# KiCad board SparkFun_GNSS_ZED-X20P_panelized.kicad_pcb (continued)
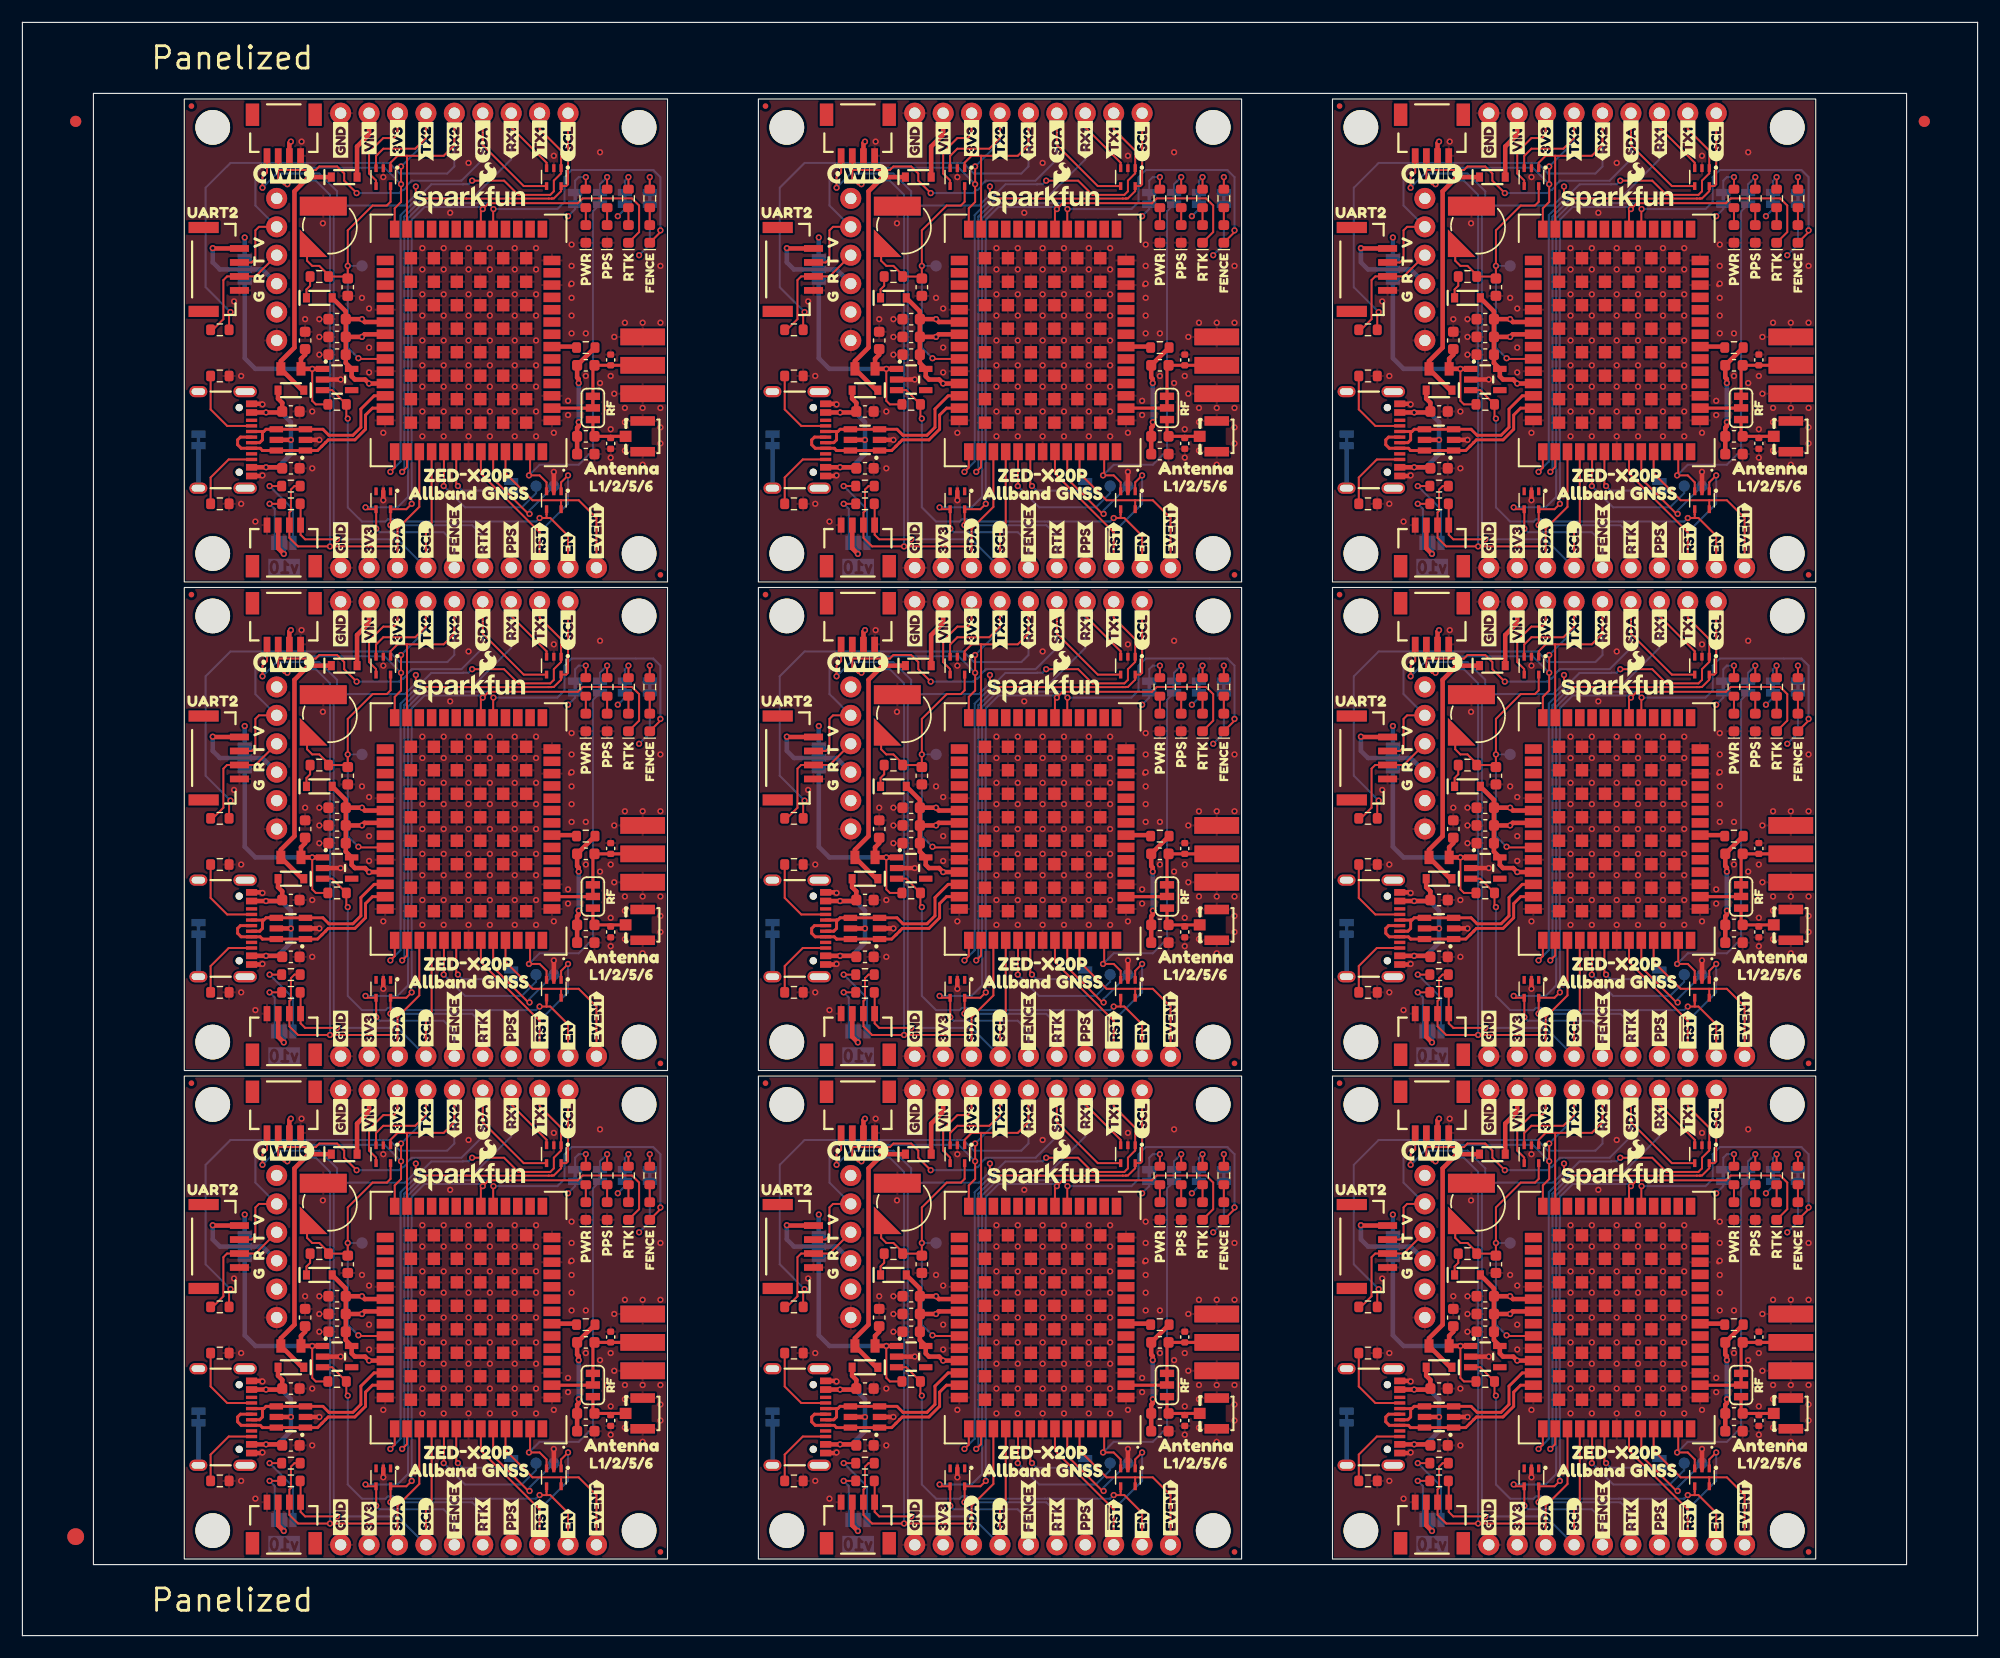
[diagram p0: board, top side]
## Routing (per net, layer and track width the routed paths; a pad name or vN(x,y) marks a point on that pad's centre or on a via; arc(x,y) is an arc through that point) (continued)
  Top w0.406: C1#2.1 76.56,27.17 76.19,26.8 F1#3.1 v1(77.2,25.9) 78.12,25.9 U2#2.1 ; U2#7.1 78.12,69.58 v1(77.2,69.58) F1#8.1 76.19,70.48 76.56,70.85 C1#7.1 ; U2#5.1 26.82,69.58 v1(25.9,69.58) F1#2.1 24.9,70.48 25.27,70.85 C1#3.1 ; U2#3.1 78.12,113.26 v1(77.2,113.26) F1#7.1 76.19,114.16 76.56,114.53 C1#8.1 ; U2#8.1 129.42,25.9 v1(128.5,25.9) F1#6.1 127.5,26.8 127.87,27.17 C1#6.1 ; C1#4.1 25.27,114.53 24.9,114.16 F1#4.1 v1(25.9,113.26) 26.82,113.26 U2#6.1 ; C1.1 25.27,27.17 24.9,26.8 F1.1 v1(25.9,25.9) 26.82,25.9 U2.1 ; U2#9.1 129.42,113.26 v1(128.5,113.26) F1#5.1 127.5,114.16 127.87,114.53 C1#5.1 ; U2#4.1 129.42,69.58 v1(128.5,69.58) F1#9.1 127.5,70.48 127.87,70.85 C1#9.1
  Bottom w0.406: v1(25.9,113.26) 20.82,113.26 19.87,114.21 JP4#5.3 ; JP4#3.3 19.87,70.53 20.82,69.58 v1(25.9,69.58) ; v1(128.5,25.9) 123.42,25.9 122.47,26.85 JP4#7.3 ; JP4#2.3 122.47,114.21 123.42,113.26 v1(128.5,113.26) ; JP4#6.3 71.17,70.53 72.12,69.58 v1(77.2,69.58) ; JP4#9.3 122.47,70.53 123.42,69.58 v1(128.5,69.58) ; v1(25.9,25.9) 20.82,25.9 19.87,26.85 JP4.3 ; JP4#8.3 71.17,26.85 72.12,25.9 v1(77.2,25.9) ; v1(77.2,113.26) 72.12,113.26 71.17,114.21 JP4#4.3
GND: length 68.2
  Top w0.406: D13#2.2 v1(83.55,57.83) ; D12#4.2 v1(47.49,60.37) ; U2#7.2 v1(79.74,68.63) ; v1(124.06,66.41) 124,66.46 J1#5.GND ; v1(72.75,66.41) 72.71,66.46 J1#7.GND ; v1(124.06,60.06) 124,60.01 J1#5.GND ; D13#7.2 v1(134.85,101.51) ; D13#4.2 v1(83.55,14.15) ; U1.2 v1(26.53,19.55) ; v1(72.75,22.73) 72.71,22.78 J1#3.GND ; D12#7.2 v1(98.79,16.69) ; v1(21.46,22.73) 21.41,22.78 J1#9.GND ; v1(124.06,103.73) 124,103.69 J1#4.GND ; U2.2 v1(28.44,24.95) ; D13.2 v1(32.25,101.51) ; v1(72.75,110.09) 72.71,110.14 J1#8.GND ; U2#2.2 v1(79.74,24.95) ; J1#6.GND 124,16.33 v1(124.06,16.38) ; 100.25,120.75 v1(100.38,120.88) ; D12#6.2 v1(150.09,16.69) ; D12#8.2 v1(150.09,104.05) ; v1(72.75,60.06) 72.71,60.01 J1#7.GND ; U1#4.2 v1(129.13,106.91) ; 151.55,33.39 v1(151.68,33.52) ; v1(124.06,110.09) 124,110.14 J1#4.GND ; v1(21.46,60.06) 21.41,60.01 J1#2.GND ; U1#6.2 v1(77.84,19.55) ; U2#9.2 v1(131.04,112.31) ; U1#8.2 v1(129.13,19.55) ; D13#8.2 v1(134.85,14.15) ; U2#5.2 v1(28.44,68.63) ; U1#5.2 v1(77.84,106.91) ; U1#2.2 v1(26.53,106.91) ; J1#9.GND 21.41,16.33 v1(21.46,16.38) ; D13#6.2 v1(134.85,57.83) ; v1(21.46,110.09) 21.41,110.14 J1.GND ; D12#2.2 v1(47.49,16.69) ; J1#2.GND 21.41,66.46 v1(21.46,66.41) ; D12#9.2 v1(98.79,60.37) ; 151.55,120.75 v1(151.68,120.88) ; U2#6.2 v1(28.44,112.31) ; 100.25,77.07 v1(100.38,77.2) ; 151.55,77.07 v1(151.68,77.2) ; U1#3.2 v1(26.53,63.23) ; D13#3.2 v1(32.25,57.83) ; U1#9.2 v1(129.13,63.23) ; U2#8.2 v1(131.04,24.95) ; 48.95,120.75 v1(49.08,120.88) ; 100.25,33.39 v1(100.38,33.52) ; D12.2 v1(98.79,104.05) ; J1.GND 21.41,103.69 v1(21.46,103.73) ; J1#3.GND 72.71,16.33 v1(72.75,16.38) ; U1#7.2 v1(77.84,63.23) ; J1#6.GND 124,22.78 v1(124.06,22.73) ; D13#5.2 v1(83.55,101.51) ; J1#8.GND 72.71,103.69 v1(72.75,103.73) ; 48.95,33.39 v1(49.08,33.52) ; U2#3.2 v1(79.74,112.31) ; D12#3.2 v1(47.49,104.05) ; D13#9.2 v1(32.25,14.15) ; U2#4.2 v1(131.04,68.63) ; 48.95,77.07 v1(49.08,77.2) ; D12#5.2 v1(150.09,60.37)
  vias: v1(18.91,119.29) v1(18.91,75.61) v1(18.91,31.93) v1(19.55,112.62) v1(19.55,101.2) v1(19.55,68.94) v1(19.55,57.52) v1(19.55,25.27) v1(19.55,13.84) v1(20.82,99.61) v1(20.82,55.93) v1(20.82,12.25) v1(24.95,133.58) v1(24.95,89.9) v1(24.95,46.22) v1(25.27,117.7) v1(25.27,74.03) v1(25.27,30.34) v1(25.9,109.45) v1(25.9,104.37) v1(25.9,65.77) v1(25.9,60.69) v1(25.9,22.09) v1(25.9,17.01) v1(26.53,117.7) v1(26.53,116.12) v1(26.53,114.53) v1(26.53,74.03) v1(26.53,72.44) v1(26.53,70.85) v1(26.53,30.34) v1(26.53,28.76) v1(26.53,27.17) v1(26.85,126.28) v1(26.85,82.6) v1(26.85,38.92) v1(30.34,119.61) v1(30.34,75.93) v1(30.34,32.25) v1(30.98,118.66) v1(30.98,115.17) v1(30.98,112.94) v1(30.98,74.98) v1(30.98,71.48) v1(30.98,69.26) v1(30.98,31.3) v1(30.98,27.81) v1(30.98,25.58) v1(32.25,130.41) v1(32.25,107.55) v1(32.25,86.72) v1(32.25,63.87) v1(32.25,43.05) v1(32.25,20.19) v1(35.74,124.06) v1(35.74,122.15) v1(35.74,119.93) v1(35.74,118.02) v1(35.74,115.8) v1(35.74,113.58) v1(35.74,111.67) v1(35.74,109.45) v1(35.74,107.23) v1(35.74,80.38) v1(35.74,78.47) v1(35.74,76.25) v1(35.74,74.34) v1(35.74,72.12) v1(35.74,69.9) v1(35.74,67.99) v1(35.74,65.77) v1(35.74,63.55) v1(35.74,36.7) v1(35.74,34.79) v1(35.74,32.57) v1(35.74,30.66) v1(35.74,28.44) v1(35.74,26.22) v1(35.74,24.31) v1(35.74,22.09) v1(35.74,19.87) v1(37.65,124.06) v1(37.65,122.15) v1(37.65,119.93) v1(37.65,118.02) v1(37.65,115.8) v1(37.65,113.58) v1(37.65,111.67) v1(37.65,109.45) v1(37.65,107.23) v1(37.65,80.38) v1(37.65,78.47) v1(37.65,76.25) v1(37.65,74.34) v1(37.65,72.12) v1(37.65,69.9) v1(37.65,67.99) v1(37.65,65.77) v1(37.65,63.55) v1(37.65,36.7) v1(37.65,34.79) v1(37.65,32.57) v1(37.65,30.66) v1(37.65,28.44) v1(37.65,26.22) v1(37.65,24.31) v1(37.65,22.09) v1(37.65,19.87) v1(38.23,127.22) v1(38.23,83.54) v1(38.23,39.86) v1(39.87,131.68) v1(39.87,124.06) v1(39.87,122.15) v1(39.87,119.93) v1(39.87,118.02) v1(39.87,115.8) v1(39.87,113.58) v1(39.87,111.67) v1(39.87,109.45) v1(39.87,107.23) v1(39.87,88) v1(39.87,80.38) v1(39.87,78.47) v1(39.87,76.25) v1(39.87,74.34) v1(39.87,72.12) v1(39.87,69.9) v1(39.87,67.99) v1(39.87,65.77) v1(39.87,63.55) v1(39.87,44.31) v1(39.87,36.7) v1(39.87,34.79) v1(39.87,32.57) v1(39.87,30.66) v1(39.87,28.44) v1(39.87,26.22) v1(39.87,24.31) v1(39.87,22.09) v1(39.87,19.87) v1(41.78,124.06) v1(41.78,122.15) v1(41.78,119.93) v1(41.78,118.02) v1(41.78,115.8) v1(41.78,113.58) v1(41.78,111.67) v1(41.78,109.45) v1(41.78,107.23) v1(41.78,80.38) v1(41.78,78.47) v1(41.78,76.25) v1(41.78,74.34) v1(41.78,72.12) v1(41.78,69.9) v1(41.78,67.99) v1(41.78,65.77) v1(41.78,63.55) v1(41.78,36.7) v1(41.78,34.79) v1(41.78,32.57) v1(41.78,30.66) v1(41.78,28.44) v1(41.78,26.22) v1(41.78,24.31) v1(41.78,22.09) v1(41.78,19.87) v1(44,124.06) v1(44,122.15) v1(44,119.93) v1(44,118.02) v1(44,115.8) v1(44,113.58) v1(44,111.67) v1(44,109.45) v1(44,107.23) v1(44,80.38) v1(44,78.47) v1(44,76.25) v1(44,74.34) v1(44,72.12) v1(44,69.9) v1(44,67.99) v1(44,65.77) v1(44,63.55) v1(44,36.7) v1(44,34.79) v1(44,32.57) v1(44,30.66) v1(44,28.44) v1(44,26.22) v1(44,24.31) v1(44,22.09) v1(44,19.87) v1(45.9,124.06) v1(45.9,122.15) v1(45.9,119.93) v1(45.9,118.02) v1(45.9,115.8) v1(45.9,113.58) v1(45.9,111.67) v1(45.9,109.45) v1(45.9,107.23) v1(45.9,80.38) v1(45.9,78.47) v1(45.9,76.25) v1(45.9,74.34) v1(45.9,72.12) v1(45.9,69.9) v1(45.9,67.99) v1(45.9,65.77) v1(45.9,63.55) v1(45.9,36.7) v1(45.9,34.79) v1(45.9,32.57) v1(45.9,30.66) v1(45.9,28.44) v1(45.9,26.22) v1(45.9,24.31) v1(45.9,22.09) v1(45.9,19.87) v1(47.49,132.31) v1(47.49,107.55) v1(47.49,88.63) v1(47.49,63.87) v1(47.49,44.95) v1(47.49,20.19) v1(48.76,110.4) v1(48.76,109.13) v1(48.76,66.72) v1(48.76,65.45) v1(48.76,23.04) v1(48.76,21.77) v1(49.08,124.37) v1(49.08,122.47) v1(49.08,119.61) v1(49.08,118.02) v1(49.08,116.44) v1(49.08,80.69) v1(49.08,78.79) v1(49.08,75.93) v1(49.08,74.34) v1(49.08,72.75) v1(49.08,37.01) v1(49.08,35.11) v1(49.08,32.25) v1(49.08,30.66) v1(49.08,29.08) v1(50.35,116.44) v1(50.35,112.62) v1(50.35,72.75) v1(50.35,68.94) v1(50.35,29.08) v1(50.35,25.27) v1(51.62,132.63) v1(51.62,111.99) v1(51.62,88.95) v1(51.62,68.31) v1(51.62,45.27) v1(51.62,24.63) v1(52.25,109.77) v1(52.25,66.09) v1(52.25,22.41) v1(52.57,112.62) v1(52.57,107.86) v1(52.57,105.32) v1(52.57,68.94) v1(52.57,64.18) v1(52.57,61.64) v1(52.57,25.27) v1(52.57,20.5) v1(52.57,17.96) v1(52.89,116.12) v1(52.89,111.04) v1(52.89,72.44) v1(52.89,67.36) v1(52.89,28.76) v1(52.89,23.68) v1(53.84,117.39) v1(53.84,109.77) v1(53.84,108.5) v1(53.84,105.96) v1(53.84,73.71) v1(53.84,66.09) v1(53.84,64.82) v1(53.84,62.28) v1(53.84,30.03) v1(53.84,22.41) v1(53.84,21.14) v1(53.84,18.6) v1(55.43,117.39) v1(55.43,109.77) v1(55.43,104.69) v1(55.43,73.71) v1(55.43,66.09) v1(55.43,61.01) v1(55.43,30.03) v1(55.43,22.41) v1(55.43,17.33) v1(57.02,122.47) v1(57.02,117.39) v1(57.02,109.77) v1(57.02,108.03) v1(57.02,106.59) v1(57.02,78.79) v1(57.02,73.71) v1(57.02,66.09) v1(57.02,64.35) v1(57.02,62.91) v1(57.02,35.11) v1(57.02,30.03) v1(57.02,22.41) v1(57.02,20.67) v1(57.02,19.23) v1(70.22,119.29) v1(70.22,75.61) v1(70.22,31.93) v1(70.85,112.62) v1(70.85,101.2) v1(70.85,68.94) v1(70.85,57.52) v1(70.85,25.27) v1(70.85,13.84) v1(72.12,99.61) v1(72.12,55.93) v1(72.12,12.25) v1(76.25,133.58) v1(76.25,89.9) v1(76.25,46.22) v1(76.56,117.7) v1(76.56,74.03) v1(76.56,30.34) v1(77.2,109.45) v1(77.2,104.37) v1(77.2,65.77) v1(77.2,60.69) v1(77.2,22.09) v1(77.2,17.01) v1(77.84,117.7) v1(77.84,116.12) v1(77.84,114.53) v1(77.84,74.03) v1(77.84,72.44) v1(77.84,70.85) v1(77.84,30.34) v1(77.84,28.76) v1(77.84,27.17) v1(78.15,126.28) v1(78.15,82.6) v1(78.15,38.92) v1(81.65,119.61) v1(81.65,75.93) v1(81.65,32.25) v1(82.28,118.66) v1(82.28,115.17) v1(82.28,112.94) v1(82.28,74.98) v1(82.28,71.48) v1(82.28,69.26) v1(82.28,31.3) v1(82.28,27.81) v1(82.28,25.58) v1(83.55,130.41) v1(83.55,107.55) v1(83.55,86.72) v1(83.55,63.87) v1(83.55,43.05) v1(83.55,20.19) v1(87.04,124.06) v1(87.04,122.15) v1(87.04,119.93) v1(87.04,118.02) v1(87.04,115.8) v1(87.04,113.58) v1(87.04,111.67) v1(87.04,109.45) v1(87.04,107.23) v1(87.04,80.38) v1(87.04,78.47) v1(87.04,76.25) v1(87.04,74.34) v1(87.04,72.12) v1(87.04,69.9) v1(87.04,67.99) v1(87.04,65.77) v1(87.04,63.55) v1(87.04,36.7) v1(87.04,34.79) v1(87.04,32.57) v1(87.04,30.66) v1(87.04,28.44) v1(87.04,26.22) v1(87.04,24.31) v1(87.04,22.09) v1(87.04,19.87) v1(88.95,124.06) v1(88.95,122.15) v1(88.95,119.93) v1(88.95,118.02) v1(88.95,115.8) v1(88.95,113.58) v1(88.95,111.67) v1(88.95,109.45) v1(88.95,107.23) v1(88.95,80.38) v1(88.95,78.47) v1(88.95,76.25) v1(88.95,74.34) v1(88.95,72.12) v1(88.95,69.9) v1(88.95,67.99) v1(88.95,65.77) v1(88.95,63.55) v1(88.95,36.7) v1(88.95,34.79) v1(88.95,32.57) v1(88.95,30.66) v1(88.95,28.44) v1(88.95,26.22) v1(88.95,24.31) v1(88.95,22.09) v1(88.95,19.87) v1(89.53,127.22) v1(89.53,83.54) v1(89.53,39.86) v1(91.17,131.68) v1(91.17,124.06) v1(91.17,122.15) v1(91.17,119.93) v1(91.17,118.02) v1(91.17,115.8) v1(91.17,113.58) v1(91.17,111.67) v1(91.17,109.45) v1(91.17,107.23) v1(91.17,88) v1(91.17,80.38) v1(91.17,78.47) v1(91.17,76.25) v1(91.17,74.34) v1(91.17,72.12) v1(91.17,69.9) v1(91.17,67.99) v1(91.17,65.77) v1(91.17,63.55) v1(91.17,44.31) v1(91.17,36.7) v1(91.17,34.79) v1(91.17,32.57) v1(91.17,30.66) v1(91.17,28.44) v1(91.17,26.22) v1(91.17,24.31) v1(91.17,22.09) v1(91.17,19.87) v1(93.08,124.06) v1(93.08,122.15) v1(93.08,119.93) v1(93.08,118.02) v1(93.08,115.8) v1(93.08,113.58) v1(93.08,111.67) v1(93.08,109.45) v1(93.08,107.23) v1(93.08,80.38) v1(93.08,78.47) v1(93.08,76.25) v1(93.08,74.34) v1(93.08,72.12) v1(93.08,69.9) v1(93.08,67.99) v1(93.08,65.77) v1(93.08,63.55) v1(93.08,36.7) v1(93.08,34.79) v1(93.08,32.57) v1(93.08,30.66) v1(93.08,28.44) v1(93.08,26.22) v1(93.08,24.31) v1(93.08,22.09) v1(93.08,19.87) v1(95.3,124.06) v1(95.3,122.15) v1(95.3,119.93) v1(95.3,118.02) v1(95.3,115.8) v1(95.3,113.58) v1(95.3,111.67) v1(95.3,109.45) v1(95.3,107.23) v1(95.3,80.38) v1(95.3,78.47) v1(95.3,76.25) v1(95.3,74.34) v1(95.3,72.12) v1(95.3,69.9) v1(95.3,67.99) v1(95.3,65.77) v1(95.3,63.55) v1(95.3,36.7) v1(95.3,34.79) v1(95.3,32.57) v1(95.3,30.66) v1(95.3,28.44) v1(95.3,26.22) v1(95.3,24.31) v1(95.3,22.09) v1(95.3,19.87) v1(97.2,124.06) v1(97.2,122.15) v1(97.2,119.93) v1(97.2,118.02) v1(97.2,115.8) v1(97.2,113.58) v1(97.2,111.67) v1(97.2,109.45) v1(97.2,107.23) v1(97.2,80.38) v1(97.2,78.47) v1(97.2,76.25) v1(97.2,74.34) v1(97.2,72.12) v1(97.2,69.9) v1(97.2,67.99) v1(97.2,65.77) v1(97.2,63.55) v1(97.2,36.7) v1(97.2,34.79) v1(97.2,32.57) v1(97.2,30.66) v1(97.2,28.44) v1(97.2,26.22) v1(97.2,24.31) v1(97.2,22.09) v1(97.2,19.87) v1(98.79,132.31) v1(98.79,107.55) v1(98.79,88.63) v1(98.79,63.87) v1(98.79,44.95) v1(98.79,20.19) v1(100.06,110.4) v1(100.06,109.13) v1(100.06,66.72) v1(100.06,65.45) v1(100.06,23.04) v1(100.06,21.77) v1(100.38,124.37) v1(100.38,122.47) v1(100.38,119.61) v1(100.38,118.02) v1(100.38,116.44) v1(100.38,80.69) v1(100.38,78.79) v1(100.38,75.93) v1(100.38,74.34) v1(100.38,72.75) v1(100.38,37.01) v1(100.38,35.11) v1(100.38,32.25) v1(100.38,30.66) v1(100.38,29.08) v1(101.65,116.44) v1(101.65,112.62) v1(101.65,72.75) v1(101.65,68.94) v1(101.65,29.08) v1(101.65,25.27) v1(102.92,132.63) v1(102.92,111.99) v1(102.92,88.95) v1(102.92,68.31) v1(102.92,45.27) v1(102.92,24.63) v1(103.55,109.77) v1(103.55,66.09) v1(103.55,22.41) v1(103.87,112.62) v1(103.87,107.86) v1(103.87,105.32) v1(103.87,68.94) v1(103.87,64.18) v1(103.87,61.64) v1(103.87,25.27) v1(103.87,20.5) v1(103.87,17.96) v1(104.19,116.12) v1(104.19,111.04) v1(104.19,72.44) v1(104.19,67.36) v1(104.19,28.76) v1(104.19,23.68) v1(105.14,117.39) v1(105.14,109.77) v1(105.14,108.5) v1(105.14,105.96) v1(105.14,73.71) v1(105.14,66.09) v1(105.14,64.82) v1(105.14,62.28) v1(105.14,30.03) v1(105.14,22.41) v1(105.14,21.14) v1(105.14,18.6) v1(106.73,117.39) v1(106.73,109.77) v1(106.73,104.69) v1(106.73,73.71) v1(106.73,66.09) v1(106.73,61.01) v1(106.73,30.03) v1(106.73,22.41) v1(106.73,17.33) v1(108.31,122.47) v1(108.31,117.39) v1(108.31,109.77) v1(108.31,108.03) v1(108.31,106.59) v1(108.31,78.79) v1(108.31,73.71) v1(108.31,66.09) v1(108.31,64.35) v1(108.31,62.91) v1(108.31,35.11) v1(108.31,30.03) v1(108.31,22.41) v1(108.31,20.67) v1(108.31,19.23) v1(121.52,119.29) v1(121.52,75.61) v1(121.52,31.93) v1(122.15,112.62) v1(122.15,101.2) v1(122.15,68.94) v1(122.15,57.52) v1(122.15,25.27) v1(122.15,13.84) v1(123.42,99.61) v1(123.42,55.93) v1(123.42,12.25) v1(127.55,133.58) v1(127.55,89.9) v1(127.55,46.22) v1(127.87,117.7) v1(127.87,74.03) v1(127.87,30.34) v1(128.5,109.45) v1(128.5,104.37) v1(128.5,65.77) v1(128.5,60.69) v1(128.5,22.09) v1(128.5,17.01) v1(129.13,117.7) v1(129.13,116.12) v1(129.13,114.53) v1(129.13,74.03) v1(129.13,72.44) v1(129.13,70.85) v1(129.13,30.34) v1(129.13,28.76) v1(129.13,27.17) v1(129.45,126.28) v1(129.45,82.6) v1(129.45,38.92) v1(132.94,119.61) v1(132.94,75.93) v1(132.94,32.25) v1(133.58,118.66) v1(133.58,115.17) v1(133.58,112.94) v1(133.58,74.98) v1(133.58,71.48) v1(133.58,69.26) v1(133.58,31.3) v1(133.58,27.81) v1(133.58,25.58) v1(134.85,130.41) v1(134.85,107.55) v1(134.85,86.72) v1(134.85,63.87) v1(134.85,43.05) v1(134.85,20.19) v1(138.34,124.06) v1(138.34,122.15) v1(138.34,119.93) v1(138.34,118.02) v1(138.34,115.8) v1(138.34,113.58) v1(138.34,111.67) v1(138.34,109.45) v1(138.34,107.23) v1(138.34,80.38) v1(138.34,78.47) v1(138.34,76.25) v1(138.34,74.34) v1(138.34,72.12) v1(138.34,69.9) v1(138.34,67.99) v1(138.34,65.77) v1(138.34,63.55) v1(138.34,36.7) v1(138.34,34.79) v1(138.34,32.57) v1(138.34,30.66) v1(138.34,28.44) v1(138.34,26.22) v1(138.34,24.31) v1(138.34,22.09) v1(138.34,19.87) v1(140.25,124.06) v1(140.25,122.15) v1(140.25,119.93) v1(140.25,118.02) v1(140.25,115.8) v1(140.25,113.58) v1(140.25,111.67) v1(140.25,109.45) v1(140.25,107.23) v1(140.25,80.38) v1(140.25,78.47) v1(140.25,76.25) v1(140.25,74.34) v1(140.25,72.12) v1(140.25,69.9) v1(140.25,67.99) v1(140.25,65.77) v1(140.25,63.55) v1(140.25,36.7) v1(140.25,34.79) v1(140.25,32.57) v1(140.25,30.66) v1(140.25,28.44) v1(140.25,26.22) v1(140.25,24.31) v1(140.25,22.09) v1(140.25,19.87) v1(140.83,127.22) v1(140.83,83.54) v1(140.83,39.86) v1(142.47,131.68) v1(142.47,124.06) v1(142.47,122.15) v1(142.47,119.93) v1(142.47,118.02) v1(142.47,115.8) v1(142.47,113.58) v1(142.47,111.67) v1(142.47,109.45) v1(142.47,107.23) v1(142.47,88) v1(142.47,80.38) v1(142.47,78.47) v1(142.47,76.25) v1(142.47,74.34) v1(142.47,72.12) v1(142.47,69.9) v1(142.47,67.99) v1(142.47,65.77) v1(142.47,63.55) v1(142.47,44.31) v1(142.47,36.7) v1(142.47,34.79) v1(142.47,32.57) v1(142.47,30.66) v1(142.47,28.44) v1(142.47,26.22) v1(142.47,24.31) v1(142.47,22.09) v1(142.47,19.87) v1(144.38,124.06) v1(144.38,122.15) v1(144.38,119.93) v1(144.38,118.02) v1(144.38,115.8) v1(144.38,113.58) v1(144.38,111.67) v1(144.38,109.45) v1(144.38,107.23) v1(144.38,80.38) v1(144.38,78.47) v1(144.38,76.25) v1(144.38,74.34) v1(144.38,72.12) v1(144.38,69.9) v1(144.38,67.99) v1(144.38,65.77) v1(144.38,63.55) v1(144.38,36.7) v1(144.38,34.79) v1(144.38,32.57) v1(144.38,30.66) v1(144.38,28.44) v1(144.38,26.22) v1(144.38,24.31) v1(144.38,22.09) v1(144.38,19.87) v1(146.6,124.06) v1(146.6,122.15) v1(146.6,119.93) v1(146.6,118.02) v1(146.6,115.8) v1(146.6,113.58) v1(146.6,111.67) v1(146.6,109.45) v1(146.6,107.23) v1(146.6,80.38) v1(146.6,78.47) v1(146.6,76.25) v1(146.6,74.34) v1(146.6,72.12) v1(146.6,69.9) v1(146.6,67.99) v1(146.6,65.77) v1(146.6,63.55) v1(146.6,36.7) v1(146.6,34.79) v1(146.6,32.57) v1(146.6,30.66) v1(146.6,28.44) v1(146.6,26.22) v1(146.6,24.31) v1(146.6,22.09) v1(146.6,19.87) v1(148.5,124.06) v1(148.5,122.15) v1(148.5,119.93) v1(148.5,118.02) v1(148.5,115.8) v1(148.5,113.58) v1(148.5,111.67) v1(148.5,109.45) v1(148.5,107.23) v1(148.5,80.38) v1(148.5,78.47) v1(148.5,76.25) v1(148.5,74.34) v1(148.5,72.12) v1(148.5,69.9) v1(148.5,67.99) v1(148.5,65.77) v1(148.5,63.55) v1(148.5,36.7) v1(148.5,34.79) v1(148.5,32.57) v1(148.5,30.66) v1(148.5,28.44) v1(148.5,26.22) v1(148.5,24.31) v1(148.5,22.09) v1(148.5,19.87) v1(150.09,132.31) v1(150.09,107.55) v1(150.09,88.63) v1(150.09,63.87) v1(150.09,44.95) v1(150.09,20.19) v1(151.36,110.4) v1(151.36,109.13) v1(151.36,66.72) v1(151.36,65.45) v1(151.36,23.04) v1(151.36,21.77) v1(151.68,124.37) v1(151.68,122.47) v1(151.68,119.61) v1(151.68,118.02) v1(151.68,116.44) v1(151.68,80.69) v1(151.68,78.79) v1(151.68,75.93) v1(151.68,74.34) v1(151.68,72.75) v1(151.68,37.01) v1(151.68,35.11) v1(151.68,32.25) v1(151.68,30.66) v1(151.68,29.08) v1(152.95,116.44) v1(152.95,112.62) v1(152.95,72.75) v1(152.95,68.94) v1(152.95,29.08) v1(152.95,25.27) v1(154.22,132.63) v1(154.22,111.99) v1(154.22,88.95) v1(154.22,68.31) v1(154.22,45.27) v1(154.22,24.63) v1(154.85,109.77) v1(154.85,66.09) v1(154.85,22.41) v1(155.17,112.62) v1(155.17,107.86) v1(155.17,105.32) v1(155.17,68.94) v1(155.17,64.18) v1(155.17,61.64) v1(155.17,25.27) v1(155.17,20.5) v1(155.17,17.96) v1(155.49,116.12) v1(155.49,111.04) v1(155.49,72.44) v1(155.49,67.36) v1(155.49,28.76) v1(155.49,23.68) v1(156.44,117.39) v1(156.44,109.77) v1(156.44,108.5) v1(156.44,105.96) v1(156.44,73.71) v1(156.44,66.09) v1(156.44,64.82) v1(156.44,62.28) v1(156.44,30.03) v1(156.44,22.41) v1(156.44,21.14) v1(156.44,18.6) v1(158.03,117.39) v1(158.03,109.77) v1(158.03,104.69) v1(158.03,73.71) v1(158.03,66.09) v1(158.03,61.01) v1(158.03,30.03) v1(158.03,22.41) v1(158.03,17.33) v1(159.61,122.47) v1(159.61,117.39) v1(159.61,109.77) v1(159.61,108.03) v1(159.61,106.59) v1(159.61,78.79) v1(159.61,73.71) v1(159.61,66.09) v1(159.61,64.35) v1(159.61,62.91) v1(159.61,35.11) v1(159.61,30.03) v1(159.61,22.41) v1(159.61,20.67) v1(159.61,19.23)
VCC_RF: length 20.1
  Top w0.406: 149.92,71.57 152.04,71.57 R6#9.1 ; 47.32,71.57 49.44,71.57 R6#3.1 ; U5#8.7 100.74,115.25 R6#2.1 ; U5#2.7 49.44,115.25 R6#4.1 ; R6.1 49.44,27.89 U5.7 ; R6#5.1 100.74,27.89 U5#5.7 ; R6#7.1 152.04,115.25 U5#6.7 ; U5#9.7 152.04,27.89 R6#8.1 ; R6#6.1 100.74,71.57 98.62,71.57
VIN: length 55.4
  Top w0.406: J3.8 30.98,46.86 29.91,45.78 D7.2 ; D7#6.2 81.21,89.46 82.28,90.53 J3#2.8 ; J3#6.8 82.28,134.22 81.21,133.14 D7#3.2 ; J3#5.8 30.98,134.22 29.91,133.14 D7#2.2 ; J3#8.8 133.58,46.86 132.51,45.78 D7#7.2 ; J3#3.8 30.98,90.53 29.91,89.46 D7#4.2 ; J3#9.8 133.58,134.22 132.51,133.14 D7#8.2 ; J3#7.8 133.58,90.53 132.51,89.46 D7#9.2 ; D7#5.2 81.21,45.78 82.28,46.86 J3#4.8
EVENT: length 152.7
  Top w0.178: U5#2.51 43.17,103.93 45.59,101.51 48.12,101.51 ; J11#9.6 102.6,99.93 101.01,101.51 99.43,101.51 ; 99.43,57.83 101.01,57.83 102.6,56.25 J11#8.6 ; 99.43,57.83 96.88,57.83 94.47,60.25 U5#3.51 ; 99.43,57.83 99.44,57.82 D12#9.5 ; D12#3.5 48.14,101.5 48.12,101.51 ; 48.12,57.83 48.14,57.82 D12#4.5 ; 48.12,57.83 49.71,57.83 51.3,56.25 J11#5.6 ; 48.12,57.83 45.59,57.83 43.17,60.25 U5#4.51 ; 48.12,101.51 49.71,101.51 51.3,99.93 J11#7.6 ; J11.6 153.9,12.56 152.31,14.15 150.72,14.15 ; 150.72,57.83 152.31,57.83 153.9,56.25 J11#3.6 ; 150.72,57.83 150.74,57.82 D12#5.5 ; 150.72,57.83 148.19,57.83 145.77,60.25 U5#7.51 ; D12#6.5 150.74,14.14 150.72,14.15 ; 48.12,14.15 49.71,14.15 51.3,12.56 J11#4.6 ; 48.12,14.15 48.14,14.14 D12#2.5 ; 48.12,14.15 45.59,14.15 43.17,16.57 U5.51 ; 99.43,101.51 96.88,101.51 94.47,103.93 U5#8.51 ; 99.43,101.51 99.44,101.5 D12.5 ; 99.43,14.15 99.44,14.14 D12#7.5 ; 99.43,14.15 96.88,14.15 94.47,16.57 U5#5.51 ; 99.43,14.15 101.01,14.15 102.6,12.56 J11#6.6 ; U5#9.51 145.77,16.57 148.19,14.15 150.72,14.15 ; J11#2.6 153.9,99.93 152.31,101.51 150.72,101.51 ; 150.72,101.51 148.19,101.51 145.77,103.93 U5#6.51 ; 150.72,101.51 150.74,101.5 D12#8.5
GEO_STAT: length 683.9
  Top w0.178: v1(81.96,100.88) 82.13,100.71 D13#5.4 82.91,100.7 v1(82.91,98.97) ; v1(30.66,100.88) 30.83,100.71 D13.4 31.62,100.7 v1(31.62,98.97) ; v1(108.31,125.64) 108.31,125.49 D9#2.1 ; v1(134.22,98.97) 134.22,100.7 D13#7.4 133.43,100.71 v1(133.26,100.88) ; U5.19 42.07,40.17 v1(42.09,40.19) ; v1(82.91,11.61) 82.91,13.34 D13#4.4 82.13,13.35 v1(81.96,13.52) ; D9#9.1 159.61,81.81 v1(159.61,81.96) ; v1(134.22,55.29) 134.22,57.02 D13#6.4 133.43,57.03 v1(133.26,57.2) ; D9#7.1 159.61,38.13 v1(159.61,38.28) ; v1(144.69,83.87) 144.67,83.84 144.67,82.07 ; v1(31.62,11.61) 31.62,13.34 D13#9.4 30.83,13.35 v1(30.66,13.52) ; v1(82.91,55.29) 82.91,57.02 D13#2.4 82.13,57.03 v1(81.96,57.2) ; v1(30.66,57.2) 30.83,57.03 D13#3.4 31.62,57.02 v1(31.62,55.29) ; U5#8.19 93.37,127.53 v1(93.39,127.55) ; U5#6.19 144.67,127.53 v1(144.69,127.55) ; D9#5.1 57.02,125.49 v1(57.02,125.64) ; D9#3.1 159.61,125.49 v1(159.61,125.64) ; 42.07,82.07 42.07,83.84 v1(42.09,83.87) ; v1(93.39,40.19) 93.37,40.17 U5#5.19 ; v1(108.31,38.28) 108.31,38.13 D9#8.1 ; U5#2.19 42.07,127.53 v1(42.09,127.55) ; D9#6.1 57.02,81.81 v1(57.02,81.96) ; v1(134.22,11.61) 134.22,13.34 D13#8.4 133.43,13.35 v1(133.26,13.52) ; D9#4.1 108.31,81.81 v1(108.31,81.96) ; v1(93.39,83.87) 93.37,83.84 93.37,82.07 ; U5#9.19 144.67,40.17 v1(144.69,40.19) ; D9.1 57.02,38.13 v1(57.02,38.28)
  Bottom w0.178: v1(30.66,57.2) 33.52,57.2 34.46,58.14 34.46,83.05 35.8,84.39 41.57,84.39 v1(42.09,83.87) 47.81,83.87 48.44,84.5 48.44,86.72 49.08,87.36 56.38,87.36 57.02,86.72 v1(57.02,81.96) ; v1(82.91,11.61) 83.23,11.3 88.95,11.3 89.9,10.34 J11#6.1 ; v1(31.62,55.29) 31.93,54.98 37.65,54.98 38.6,54.02 J11#5.1 ; v1(108.31,125.64) 108.31,130.41 107.68,131.04 100.38,131.04 99.74,130.41 99.74,128.18 99.11,127.55 v1(93.39,127.55) 92.87,128.07 87.1,128.07 85.76,126.73 85.76,101.82 84.82,100.88 v1(81.96,100.88) ; J11#3.1 141.2,54.02 140.25,54.98 134.53,54.98 v1(134.22,55.29) ; v1(82.91,98.97) 83.23,98.66 88.95,98.66 89.9,97.7 J11#9.1 ; v1(81.96,57.2) 84.82,57.2 85.76,58.14 85.76,83.05 87.1,84.39 92.87,84.39 v1(93.39,83.87) 99.11,83.87 99.74,84.5 99.74,86.72 100.38,87.36 107.68,87.36 108.31,86.72 v1(108.31,81.96) ; v1(159.61,81.96) 159.61,86.72 158.98,87.36 151.68,87.36 151.04,86.72 151.04,84.5 150.41,83.87 v1(144.69,83.87) 144.17,84.39 138.4,84.39 137.06,83.05 137.06,58.14 136.12,57.2 v1(133.26,57.2) ; v1(133.26,100.88) 136.12,100.88 137.06,101.82 137.06,126.73 138.4,128.07 144.17,128.07 v1(144.69,127.55) 150.41,127.55 151.04,128.18 151.04,130.41 151.68,131.04 158.98,131.04 159.61,130.41 v1(159.61,125.64) ; J11#7.1 38.6,97.7 37.65,98.66 31.93,98.66 v1(31.62,98.97) ; J11#2.1 141.2,97.7 140.25,98.66 134.53,98.66 v1(134.22,98.97) ; v1(159.61,38.28) 159.61,43.05 158.98,43.68 151.68,43.68 151.04,43.05 151.04,40.82 150.41,40.19 v1(144.69,40.19) 144.17,40.71 138.4,40.71 137.06,39.37 137.06,14.46 136.12,13.52 v1(133.26,13.52) ; v1(81.96,13.52) 84.82,13.52 85.76,14.46 85.76,39.37 87.1,40.71 92.87,40.71 v1(93.39,40.19) 99.11,40.19 99.74,40.82 99.74,43.05 100.38,43.68 107.68,43.68 108.31,43.05 v1(108.31,38.28) ; v1(57.02,125.64) 57.02,130.41 56.38,131.04 49.08,131.04 48.44,130.41 48.44,128.18 47.81,127.55 v1(42.09,127.55) 41.57,128.07 35.8,128.07 34.46,126.73 34.46,101.82 33.52,100.88 v1(30.66,100.88) ; v1(30.66,13.52) 33.52,13.52 34.46,14.46 34.46,39.37 35.8,40.71 41.57,40.71 v1(42.09,40.19) 47.81,40.19 48.44,40.82 48.44,43.05 49.08,43.68 56.38,43.68 57.02,43.05 v1(57.02,38.28) ; J11#4.1 38.6,10.34 37.65,11.3 31.93,11.3 v1(31.62,11.61) ; v1(134.22,11.61) 134.53,11.3 140.25,11.3 141.2,10.34 J11.1 ; J11#8.1 89.9,54.02 88.95,54.98 83.23,54.98 v1(82.91,55.29)
HV-RX2: length 96.4
  Top w0.178: R8#4.1 68.31,29.39 69.26,30.34 69.26,33.84 69.59,34.17 J8#3.3 72.13,34.17 J2#3.3 ; R8#6.1 119.61,29.39 120.56,30.34 120.56,33.84 120.89,34.17 J8#6.3 123.43,34.17 J2#6.3 ; R8#8.1 68.31,73.07 69.26,74.03 69.26,77.52 69.59,77.84 J8#7.3 72.13,77.84 J2#5.3 ; 16.82,73.07 17.01,73.07 17.96,74.03 17.96,77.52 18.29,77.84 J8#2.3 20.83,77.84 J2#4.3 ; R8#7.1 119.61,116.75 120.56,117.7 120.56,121.2 120.89,121.53 J8#8.3 123.43,121.53 125.33,123.42 ; 16.82,29.39 17.01,29.39 17.96,30.34 17.96,33.84 18.29,34.17 J8.3 20.83,34.17 J2.3 ; 16.82,116.75 17.01,116.75 17.96,117.7 17.96,121.2 18.29,121.53 J8#9.3 20.83,121.53 22.72,123.42 ; 74.03,123.42 72.13,121.53 J8#4.3 69.59,121.53 69.26,121.2 69.26,117.7 68.31,116.75 R8#5.1 ; J2#7.3 123.43,77.84 J8#5.3 120.89,77.84 120.56,77.52 120.56,74.03 119.61,73.07 R8#3.1
